# KiCad board 32.Channel.Amp.kicad_pcb
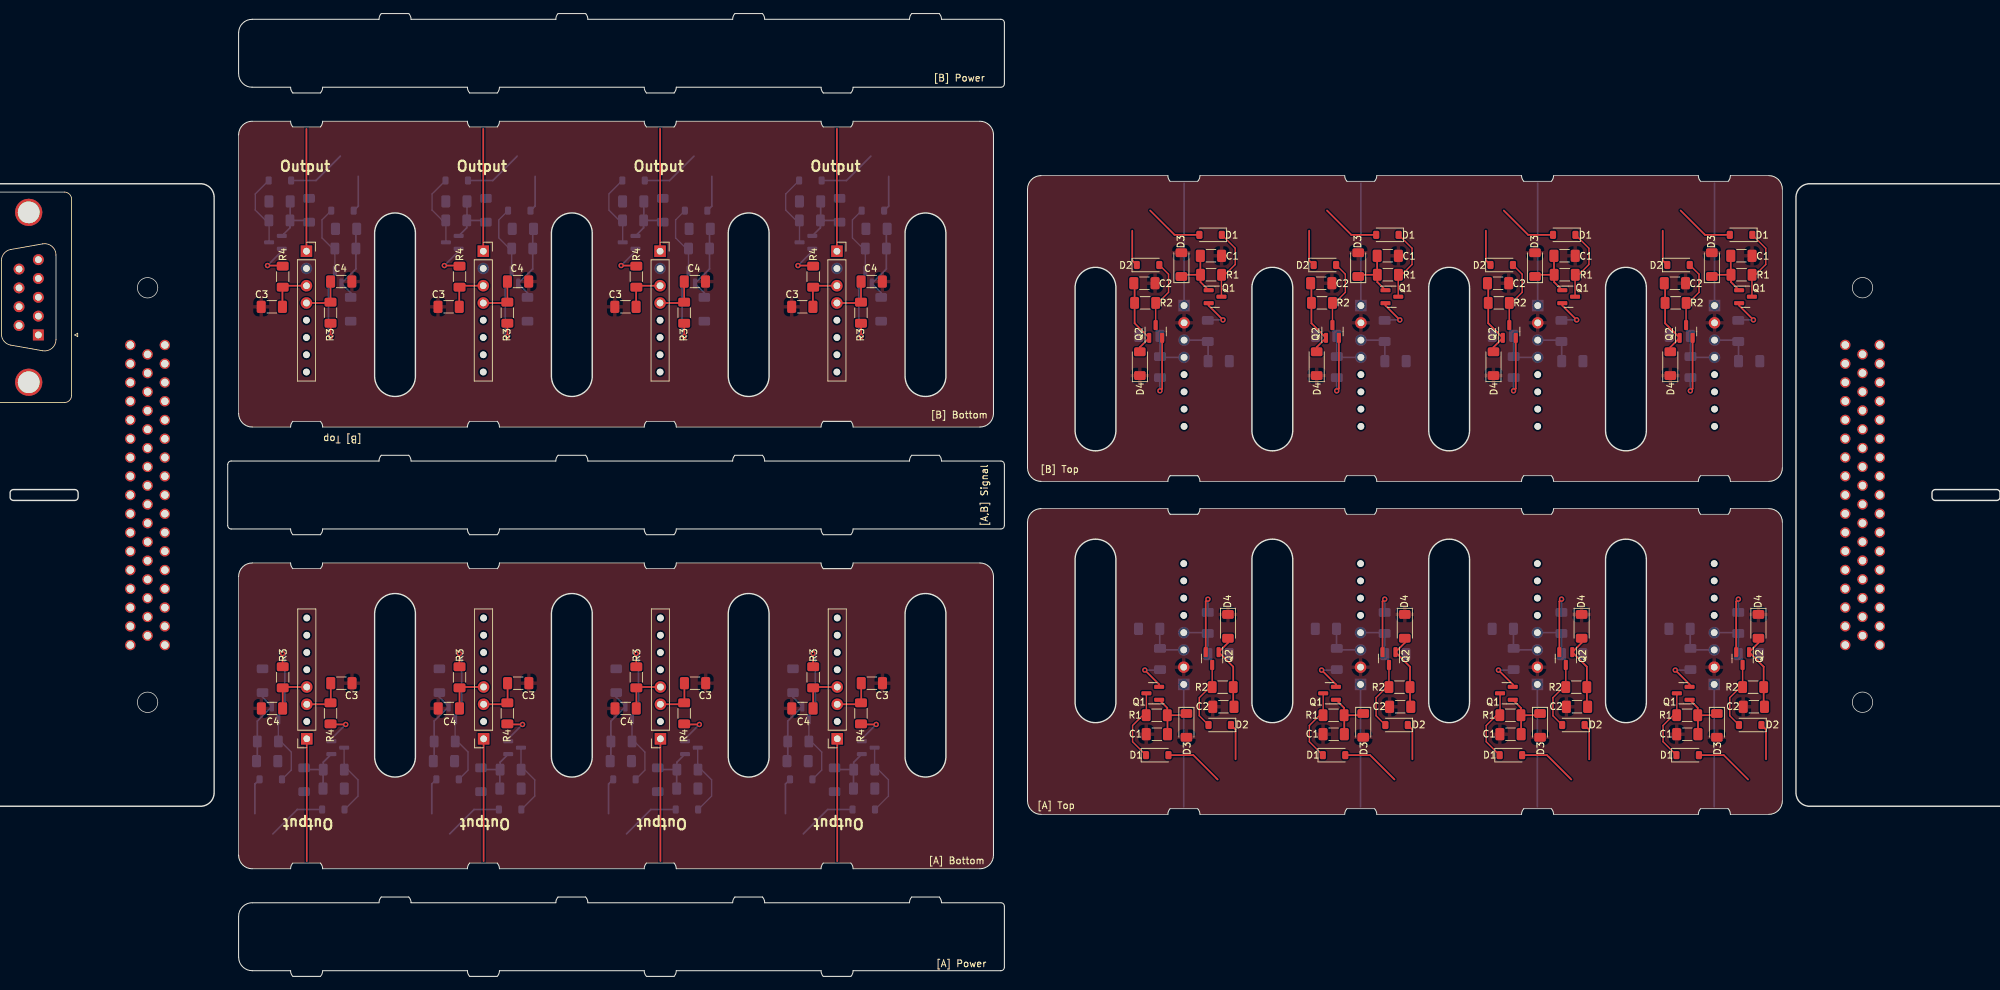
[diagram p0: board, top side]
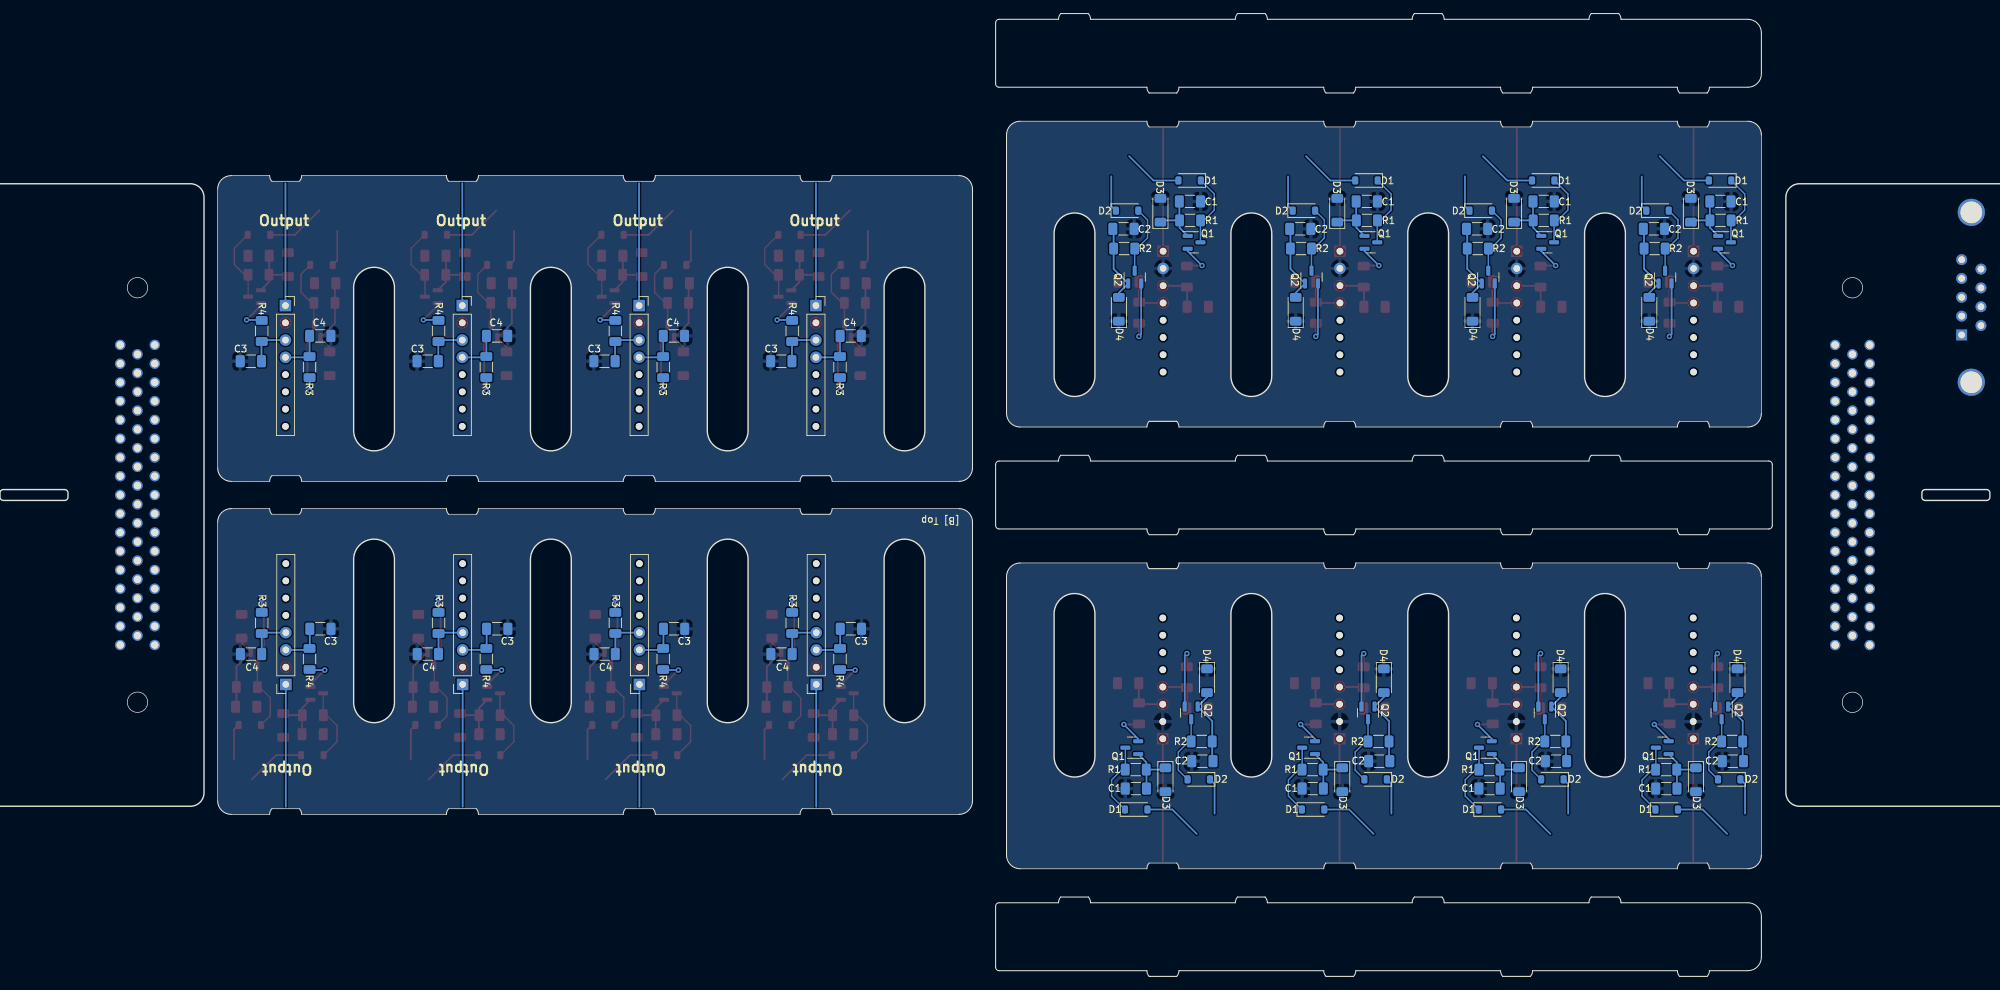
[diagram p1: board, bottom side, seen from below]

Outline 302.6 x 141.68 mm; copper layers: Top, In1.Cu, In2.Cu, Bottom. Coordinates in mm from the lower left corner of the outline.
Outline path: 14.5,71.64 14.85,71.49 15,71.14 15,70.54 14.85,70.19 14.5,70.04 5.5,70.04 5.15,70.19 5,70.54 5,71.14 5.15,71.49 5.5,71.64 closed ; 288.1,70.04 287.75,70.19 287.6,70.54 287.6,71.14 287.75,71.49 288.1,71.64 297.1,71.64 297.45,71.49 297.6,71.14 297.6,70.54 297.45,70.19 297.1,70.04 closed ; 2,116.64 0.59,116.05 0,114.64 0,27.04 0.59,25.63 2,25.04 33,25.04 34.41,25.63 35,27.04 35,114.64 34.41,116.05 33,116.64 closed ; 300.6,25.04 302.01,25.63 302.6,27.04 302.6,114.64 302.01,116.05 300.6,116.64 269.6,116.64 268.19,116.05 267.6,114.64 267.6,27.04 268.19,25.63 269.6,25.04 closed ; 64.6,88.34 61.6,85.34 58.6,88.34 58.6,109.34 61.6,112.34 64.6,109.34 closed ; 64.6,53.34 61.6,56.34 58.6,53.34 58.6,32.34 61.6,29.34 64.6,32.34 closed ; 84.6,88.34 87.6,85.34 90.6,88.34 90.6,109.34 87.6,112.34 84.6,109.34 closed ; 84.6,53.34 87.6,56.34 90.6,53.34 90.6,32.34 87.6,29.34 84.6,32.34 closed ; 110.6,88.34 113.6,85.34 116.6,88.34 116.6,109.34 113.6,112.34 110.6,109.34 closed ; 110.6,53.34 113.6,56.34 116.6,53.34 116.6,32.34 113.6,29.34 110.6,32.34 closed ; 142.6,88.34 139.6,85.34 136.6,88.34 136.6,109.34 139.6,112.34 142.6,109.34 closed ; 142.6,53.34 139.6,56.34 136.6,53.34 136.6,32.34 139.6,29.34 142.6,32.34 closed ; 161.6,80.34 164.6,77.34 167.6,80.34 167.6,101.34 164.6,104.34 161.6,101.34 closed ; 161.6,61.34 164.6,64.34 167.6,61.34 167.6,40.34 164.6,37.34 161.6,40.34 closed ; 193.6,80.34 190.6,77.34 187.6,80.34 187.6,101.34 190.6,104.34 193.6,101.34 closed ; 193.6,61.34 190.6,64.34 187.6,61.34 187.6,40.34 190.6,37.34 193.6,40.34 closed ; 219.6,80.34 216.6,77.34 213.6,80.34 213.6,101.34 216.6,104.34 219.6,101.34 closed ; 219.6,61.34 216.6,64.34 213.6,61.34 213.6,40.34 216.6,37.34 219.6,40.34 closed ; 239.6,80.34 242.6,77.34 245.6,80.34 245.6,101.34 242.6,104.34 239.6,101.34 closed ; 239.6,61.34 242.6,64.34 245.6,61.34 245.6,40.34 242.6,37.34 239.6,40.34 closed ; 37,75.34 37,66.34 arc(37.15,65.99) 37.5,65.84 46.24,65.84 arc(46.33,65.39) 46.57,65 50.63,65 arc(50.87,65.39) 50.96,65.84 72.24,65.84 arc(72.33,65.39) 72.57,65 76.63,65 arc(76.87,65.39) 76.96,65.84 98.24,65.84 arc(98.33,65.39) 98.57,65 102.63,65 arc(102.87,65.39) 102.96,65.84 124.24,65.84 arc(124.33,65.39) 124.57,65 128.63,65 arc(128.87,65.39) 128.96,65.84 150.7,65.84 arc(151.05,65.99) 151.2,66.34 151.2,75.34 arc(151.05,75.69) 150.7,75.84 141.96,75.84 arc(141.87,76.29) 141.63,76.68 137.57,76.68 arc(137.33,76.29) 137.24,75.84 115.96,75.84 arc(115.87,76.29) 115.63,76.68 111.57,76.68 arc(111.33,76.29) 111.24,75.84 89.96,75.84 arc(89.87,76.29) 89.63,76.68 85.57,76.68 arc(85.33,76.29) 85.24,75.84 63.96,75.84 arc(63.87,76.29) 63.63,76.68 59.57,76.68 arc(59.33,76.29) 59.24,75.84 37.5,75.84 arc(37.15,75.69) 37,75.34 ; 38.6,138.84 38.6,132.84 arc(39.19,131.43) 40.6,130.84 46.24,130.84 arc(46.33,130.39) 46.57,130 50.63,130 arc(50.87,130.39) 50.96,130.84 72.24,130.84 arc(72.33,130.39) 72.57,130 76.63,130 arc(76.87,130.39) 76.96,130.84 98.24,130.84 arc(98.33,130.39) 98.57,130 102.63,130 arc(102.87,130.39) 102.96,130.84 124.24,130.84 arc(124.33,130.39) 124.57,130 128.63,130 arc(128.87,130.39) 128.96,130.84 150.7,130.84 arc(151.05,130.99) 151.2,131.34 151.2,140.34 arc(151.05,140.69) 150.7,140.84 141.96,140.84 arc(141.87,141.29) 141.63,141.68 137.57,141.68 arc(137.33,141.29) 137.24,140.84 115.96,140.84 arc(115.87,141.29) 115.63,141.68 111.57,141.68 arc(111.33,141.29) 111.24,140.84 89.96,140.84 arc(89.87,141.29) 89.63,141.68 85.57,141.68 arc(85.33,141.29) 85.24,140.84 63.96,140.84 arc(63.87,141.29) 63.63,141.68 59.57,141.68 arc(59.33,141.29) 59.24,140.84 40.6,140.84 arc(39.19,140.25) 38.6,138.84 ; 38.6,123.84 38.6,82.84 arc(39.19,81.43) 40.6,80.84 46.24,80.84 arc(46.33,81.29) 46.57,81.68 50.63,81.68 arc(50.87,81.29) 50.96,80.84 72.24,80.84 arc(72.33,81.29) 72.57,81.68 76.63,81.68 arc(76.87,81.29) 76.96,80.84 98.24,80.84 arc(98.33,81.29) 98.57,81.68 102.63,81.68 arc(102.87,81.29) 102.96,80.84 124.24,80.84 arc(124.33,81.29) 124.57,81.68 128.63,81.68 arc(128.87,81.29) 128.96,80.84 147.6,80.84 arc(149.01,81.43) 149.6,82.84 149.6,123.84 arc(149.01,125.25) 147.6,125.84 128.96,125.84 arc(128.87,125.39) 128.63,125 124.57,125 arc(124.33,125.39) 124.24,125.84 102.96,125.84 arc(102.87,125.39) 102.63,125 98.57,125 arc(98.33,125.39) 98.24,125.84 76.96,125.84 arc(76.87,125.39) 76.63,125 72.57,125 arc(72.33,125.39) 72.24,125.84 50.96,125.84 arc(50.87,125.39) 50.63,125 46.57,125 arc(46.33,125.39) 46.24,125.84 40.6,125.84 arc(39.19,125.25) 38.6,123.84 ; 38.6,58.84 38.6,17.84 arc(39.19,16.43) 40.6,15.84 46.24,15.84 arc(46.33,16.29) 46.57,16.68 50.63,16.68 arc(50.87,16.29) 50.96,15.84 72.24,15.84 arc(72.33,16.29) 72.57,16.68 76.63,16.68 arc(76.87,16.29) 76.96,15.84 98.24,15.84 arc(98.33,16.29) 98.57,16.68 102.63,16.68 arc(102.87,16.29) 102.96,15.84 124.24,15.84 arc(124.33,16.29) 124.57,16.68 128.63,16.68 arc(128.87,16.29) 128.96,15.84 147.6,15.84 arc(149.01,16.43) 149.6,17.84 149.6,58.84 arc(149.01,60.25) 147.6,60.84 128.96,60.84 arc(128.87,60.39) 128.63,60 124.57,60 arc(124.33,60.39) 124.24,60.84 102.96,60.84 arc(102.87,60.39) 102.63,60 98.57,60 arc(98.33,60.39) 98.24,60.84 76.96,60.84 arc(76.87,60.39) 76.63,60 72.57,60 arc(72.33,60.39) 72.24,60.84 50.96,60.84 arc(50.87,60.39) 50.63,60 46.57,60 arc(46.33,60.39) 46.24,60.84 40.6,60.84 arc(39.19,60.25) 38.6,58.84 ; 38.6,8.84 38.6,2.84 arc(39.19,1.43) 40.6,0.84 46.24,0.84 arc(46.33,0.39) 46.57,0 50.63,0 arc(50.87,0.39) 50.96,0.84 72.24,0.84 arc(72.33,0.39) 72.57,0 76.63,0 arc(76.87,0.39) 76.96,0.84 98.24,0.84 arc(98.33,0.39) 98.57,0 102.63,0 arc(102.87,0.39) 102.96,0.84 124.24,0.84 arc(124.33,0.39) 124.57,0 128.63,0 arc(128.87,0.39) 128.96,0.84 150.7,0.84 arc(151.05,0.99) 151.2,1.34 151.2,10.34 arc(151.05,10.69) 150.7,10.84 141.96,10.84 arc(141.87,11.29) 141.63,11.68 137.57,11.68 arc(137.33,11.29) 137.24,10.84 115.96,10.84 arc(115.87,11.29) 115.63,11.68 111.57,11.68 arc(111.33,11.29) 111.24,10.84 89.96,10.84 arc(89.87,11.29) 89.63,11.68 85.57,11.68 arc(85.33,11.29) 85.24,10.84 63.96,10.84 arc(63.87,11.29) 63.63,11.68 59.57,11.68 arc(59.33,11.29) 59.24,10.84 40.6,10.84 arc(39.19,10.25) 38.6,8.84 ; 154.6,115.84 154.6,74.84 arc(155.19,73.43) 156.6,72.84 175.24,72.84 arc(175.33,73.29) 175.57,73.68 179.63,73.68 arc(179.87,73.29) 179.96,72.84 201.24,72.84 arc(201.33,73.29) 201.57,73.68 205.63,73.68 arc(205.87,73.29) 205.96,72.84 227.24,72.84 arc(227.33,73.29) 227.57,73.68 231.63,73.68 arc(231.87,73.29) 231.96,72.84 253.24,72.84 arc(253.33,73.29) 253.57,73.68 257.63,73.68 arc(257.87,73.29) 257.96,72.84 263.6,72.84 arc(265.01,73.43) 265.6,74.84 265.6,115.84 arc(265.01,117.25) 263.6,117.84 257.96,117.84 arc(257.87,117.39) 257.63,117 253.57,117 arc(253.33,117.39) 253.24,117.84 231.96,117.84 arc(231.87,117.39) 231.63,117 227.57,117 arc(227.33,117.39) 227.24,117.84 205.96,117.84 arc(205.87,117.39) 205.63,117 201.57,117 arc(201.33,117.39) 201.24,117.84 179.96,117.84 arc(179.87,117.39) 179.63,117 175.57,117 arc(175.33,117.39) 175.24,117.84 156.6,117.84 arc(155.19,117.25) 154.6,115.84 ; 154.6,66.84 154.6,25.84 arc(155.19,24.43) 156.6,23.84 175.24,23.84 arc(175.33,24.29) 175.57,24.68 179.63,24.68 arc(179.87,24.29) 179.96,23.84 201.24,23.84 arc(201.33,24.29) 201.57,24.68 205.63,24.68 arc(205.87,24.29) 205.96,23.84 227.24,23.84 arc(227.33,24.29) 227.57,24.68 231.63,24.68 arc(231.87,24.29) 231.96,23.84 253.24,23.84 arc(253.33,24.29) 253.57,24.68 257.63,24.68 arc(257.87,24.29) 257.96,23.84 263.6,23.84 arc(265.01,24.43) 265.6,25.84 265.6,66.84 arc(265.01,68.25) 263.6,68.84 257.96,68.84 arc(257.87,68.39) 257.63,68 253.57,68 arc(253.33,68.39) 253.24,68.84 231.96,68.84 arc(231.87,68.39) 231.63,68 227.57,68 arc(227.33,68.39) 227.24,68.84 205.96,68.84 arc(205.87,68.39) 205.63,68 201.57,68 arc(201.33,68.39) 201.24,68.84 179.96,68.84 arc(179.87,68.39) 179.63,68 175.57,68 arc(175.33,68.39) 175.24,68.84 156.6,68.84 arc(155.19,68.25) 154.6,66.84
Stack: Top 0.035mm / dielectric 0.1mm FR4 er 4.5 / In1.Cu 0.035mm / dielectric 1.24mm FR4 er 4.5 / In2.Cu 0.035mm / dielectric 0.1mm FR4 er 4.5 / Bottom 0.035mm

## Placement (name value [footprint] x y rotation side)
C1  10uF  [C_1206_3216Metric_Pad1.33x1.80mm_HandSolder]  251.62 35.64 180 top
C1#2  10uF  [C_1206_3216Metric_Pad1.33x1.80mm_HandSolder]  259.58 106.04 0 top
C1#3  10uF  [C_1206_3216Metric_Pad1.33x1.80mm_HandSolder]  199.62 35.64 180 top
C1#4  10uF  [C_1206_3216Metric_Pad1.33x1.80mm_HandSolder]  225.62 35.64 180 top
C1#5  10uF  [C_1206_3216Metric_Pad1.33x1.80mm_HandSolder]  233.58 106.04 0 top
C1#6  10uF  [C_1206_3216Metric_Pad1.33x1.80mm_HandSolder]  173.62 35.64 180 top
C1#7  10uF  [C_1206_3216Metric_Pad1.33x1.80mm_HandSolder]  181.58 106.04 0 top
C1#8  10uF  [C_1206_3216Metric_Pad1.33x1.80mm_HandSolder]  207.58 106.04 0 top
C1#9  10uF  [C_1206_3216Metric_Pad1.33x1.80mm_HandSolder]  52.58 27.64 0 bottom
C1#10  10uF  [C_1206_3216Metric_Pad1.33x1.80mm_HandSolder]  122.62 114.04 180 bottom
C1#11  10uF  [C_1206_3216Metric_Pad1.33x1.80mm_HandSolder]  70.62 114.04 180 bottom
C1#12  10uF  [C_1206_3216Metric_Pad1.33x1.80mm_HandSolder]  104.58 27.64 0 bottom
C1#13  10uF  [C_1206_3216Metric_Pad1.33x1.80mm_HandSolder]  44.62 114.04 180 bottom
C1#14  10uF  [C_1206_3216Metric_Pad1.33x1.80mm_HandSolder]  78.58 27.64 0 bottom
C1#15  10uF  [C_1206_3216Metric_Pad1.33x1.80mm_HandSolder]  96.62 114.04 180 bottom
C1#16  10uF  [C_1206_3216Metric_Pad1.33x1.80mm_HandSolder]  130.58 27.64 0 bottom
C2  10uF  [C_1206_3216Metric_Pad1.33x1.80mm_HandSolder]  209.4 39.67 180 top
C2#2  10uF  [C_1206_3216Metric_Pad1.33x1.80mm_HandSolder]  183.4 39.67 180 top
C2#3  10uF  [C_1206_3216Metric_Pad1.33x1.80mm_HandSolder]  261.4 39.67 180 top
C2#4  10uF  [C_1206_3216Metric_Pad1.33x1.80mm_HandSolder]  197.8 102 0 top
C2#5  10uF  [C_1206_3216Metric_Pad1.33x1.80mm_HandSolder]  235.4 39.67 180 top
C2#6  10uF  [C_1206_3216Metric_Pad1.33x1.80mm_HandSolder]  249.8 102 0 top
C2#7  10uF  [C_1206_3216Metric_Pad1.33x1.80mm_HandSolder]  171.8 102 0 top
C2#8  10uF  [C_1206_3216Metric_Pad1.33x1.80mm_HandSolder]  223.8 102 0 top
C2#9  10uF  [C_1206_3216Metric_Pad1.33x1.80mm_HandSolder]  132.4 110 180 bottom
C2#10  10uF  [C_1206_3216Metric_Pad1.33x1.80mm_HandSolder]  94.8 31.67 0 bottom
C2#11  10uF  [C_1206_3216Metric_Pad1.33x1.80mm_HandSolder]  106.4 110 180 bottom
C2#12  10uF  [C_1206_3216Metric_Pad1.33x1.80mm_HandSolder]  54.4 110 180 bottom
C2#13  10uF  [C_1206_3216Metric_Pad1.33x1.80mm_HandSolder]  68.8 31.67 0 bottom
C2#14  10uF  [C_1206_3216Metric_Pad1.33x1.80mm_HandSolder]  80.4 110 180 bottom
C2#15  10uF  [C_1206_3216Metric_Pad1.33x1.80mm_HandSolder]  120.8 31.67 0 bottom
C2#16  10uF  [C_1206_3216Metric_Pad1.33x1.80mm_HandSolder]  42.8 31.67 0 bottom
C3  10uF  [C_1206_3216Metric_Pad1.33x1.80mm_HandSolder]  131.71 43.15 0 top
C3#2  10uF  [C_1206_3216Metric_Pad1.33x1.80mm_HandSolder]  105.71 43.15 0 top
C3#3  10uF  [C_1206_3216Metric_Pad1.33x1.80mm_HandSolder]  79.71 43.15 0 top
C3#4  10uF  [C_1206_3216Metric_Pad1.33x1.80mm_HandSolder]  95.48 98.53 180 top
C3#5  10uF  [C_1206_3216Metric_Pad1.33x1.80mm_HandSolder]  53.71 43.15 0 top
C3#6  10uF  [C_1206_3216Metric_Pad1.33x1.80mm_HandSolder]  121.48 98.53 180 top
C3#7  10uF  [C_1206_3216Metric_Pad1.33x1.80mm_HandSolder]  43.48 98.53 180 top
C3#8  10uF  [C_1206_3216Metric_Pad1.33x1.80mm_HandSolder]  69.48 98.53 180 top
C3#9  10uF  [C_1206_3216Metric_Pad1.33x1.80mm_HandSolder]  224.48 51.15 180 bottom
C3#10  10uF  [C_1206_3216Metric_Pad1.33x1.80mm_HandSolder]  198.48 51.15 180 bottom
C3#11  10uF  [C_1206_3216Metric_Pad1.33x1.80mm_HandSolder]  208.71 90.53 0 bottom
C3#12  10uF  [C_1206_3216Metric_Pad1.33x1.80mm_HandSolder]  182.71 90.53 0 bottom
C3#13  10uF  [C_1206_3216Metric_Pad1.33x1.80mm_HandSolder]  172.48 51.15 180 bottom
C3#14  10uF  [C_1206_3216Metric_Pad1.33x1.80mm_HandSolder]  250.48 51.15 180 bottom
C3#15  10uF  [C_1206_3216Metric_Pad1.33x1.80mm_HandSolder]  234.71 90.53 0 bottom
C3#16  10uF  [C_1206_3216Metric_Pad1.33x1.80mm_HandSolder]  260.71 90.53 0 bottom
C4  10uF  [C_1206_3216Metric_Pad1.33x1.80mm_HandSolder]  43.51 39.43 180 top
C4#2  10uF  [C_1206_3216Metric_Pad1.33x1.80mm_HandSolder]  53.69 102.25 0 top
C4#3  10uF  [C_1206_3216Metric_Pad1.33x1.80mm_HandSolder]  105.69 102.25 0 top
C4#4  10uF  [C_1206_3216Metric_Pad1.33x1.80mm_HandSolder]  121.51 39.43 180 top
C4#5  10uF  [C_1206_3216Metric_Pad1.33x1.80mm_HandSolder]  131.69 102.25 0 top
C4#6  10uF  [C_1206_3216Metric_Pad1.33x1.80mm_HandSolder]  79.69 102.25 0 top
C4#7  10uF  [C_1206_3216Metric_Pad1.33x1.80mm_HandSolder]  69.51 39.43 180 top
C4#8  10uF  [C_1206_3216Metric_Pad1.33x1.80mm_HandSolder]  95.51 39.43 180 top
C4#9  10uF  [C_1206_3216Metric_Pad1.33x1.80mm_HandSolder]  198.51 94.25 180 bottom
C4#10  10uF  [C_1206_3216Metric_Pad1.33x1.80mm_HandSolder]  260.69 47.43 0 bottom
C4#11  10uF  [C_1206_3216Metric_Pad1.33x1.80mm_HandSolder]  182.69 47.43 0 bottom
C4#12  10uF  [C_1206_3216Metric_Pad1.33x1.80mm_HandSolder]  234.69 47.43 0 bottom
C4#13  10uF  [C_1206_3216Metric_Pad1.33x1.80mm_HandSolder]  224.51 94.25 180 bottom
C4#14  10uF  [C_1206_3216Metric_Pad1.33x1.80mm_HandSolder]  208.69 47.43 0 bottom
C4#15  10uF  [C_1206_3216Metric_Pad1.33x1.80mm_HandSolder]  172.51 94.25 180 bottom
C4#16  10uF  [C_1206_3216Metric_Pad1.33x1.80mm_HandSolder]  250.51 94.25 180 bottom
D1  1N4148W  [D_SOD-123]  207.52 109.12 180 top
D1#2  1N4148W  [D_SOD-123]  259.52 109.12 180 top
D1#3  1N4148W  [D_SOD-123]  251.67 32.56 0 top
D1#4  1N4148W  [D_SOD-123]  173.67 32.56 0 top
D1#5  1N4148W  [D_SOD-123]  225.67 32.56 0 top
D1#6  1N4148W  [D_SOD-123]  233.52 109.12 180 top
D1#7  1N4148W  [D_SOD-123]  181.52 109.12 180 top
D1#8  1N4148W  [D_SOD-123]  199.67 32.56 0 top
D1#9  1N4148W  [D_SOD-123]  52.52 24.56 180 bottom
D1#10  1N4148W  [D_SOD-123]  70.67 117.12 0 bottom
D1#11  1N4148W  [D_SOD-123]  96.67 117.12 0 bottom
D1#12  1N4148W  [D_SOD-123]  44.67 117.12 0 bottom
D1#13  1N4148W  [D_SOD-123]  130.52 24.56 180 bottom
D1#14  1N4148W  [D_SOD-123]  104.52 24.56 180 bottom
D1#15  1N4148W  [D_SOD-123]  78.52 24.56 180 bottom
D1#16  1N4148W  [D_SOD-123]  122.67 117.12 0 bottom
D2  1N4148W  [D_SOD-123]  198.33 104.68 0 top
D2#2  1N4148W  [D_SOD-123]  208.87 36.99 180 top
D2#3  1N4148W  [D_SOD-123]  182.87 36.99 180 top
D2#4  1N4148W  [D_SOD-123]  250.33 104.68 0 top
D2#5  1N4148W  [D_SOD-123]  260.87 36.99 180 top
D2#6  1N4148W  [D_SOD-123]  172.33 104.68 0 top
D2#7  1N4148W  [D_SOD-123]  224.33 104.68 0 top
D2#8  1N4148W  [D_SOD-123]  234.87 36.99 180 top
D2#9  1N4148W  [D_SOD-123]  131.87 112.68 180 bottom
D2#10  1N4148W  [D_SOD-123]  105.87 112.68 180 bottom
D2#11  1N4148W  [D_SOD-123]  53.87 112.68 180 bottom
D2#12  1N4148W  [D_SOD-123]  79.87 112.68 180 bottom
D2#13  1N4148W  [D_SOD-123]  95.33 28.99 0 bottom
D2#14  1N4148W  [D_SOD-123]  121.33 28.99 0 bottom
D2#15  1N4148W  [D_SOD-123]  69.33 28.99 0 bottom
D2#16  1N4148W  [D_SOD-123]  43.33 28.99 0 bottom
D3  BZV55B7V5  [D_MiniMELF]  177.23 104.74 90 top
D3#2  BZV55B7V5  [D_MiniMELF]  203.97 36.94 270 top
D3#3  BZV55B7V5  [D_MiniMELF]  255.23 104.74 90 top
D3#4  BZV55B7V5  [D_MiniMELF]  177.97 36.94 270 top
D3#5  BZV55B7V5  [D_MiniMELF]  203.23 104.74 90 top
D3#6  BZV55B7V5  [D_MiniMELF]  229.97 36.94 270 top
D3#7  BZV55B7V5  [D_MiniMELF]  229.23 104.74 90 top
D3#8  BZV55B7V5  [D_MiniMELF]  255.97 36.94 270 top
D3#9  BZV55B7V5  [D_MiniMELF]  74.23 28.94 270 bottom
D3#10  BZV55B7V5  [D_MiniMELF]  74.97 112.74 90 bottom
D3#11  BZV55B7V5  [D_MiniMELF]  48.97 112.74 90 bottom
D3#12  BZV55B7V5  [D_MiniMELF]  126.23 28.94 270 bottom
D3#13  BZV55B7V5  [D_MiniMELF]  48.23 28.94 270 bottom
D3#14  BZV55B7V5  [D_MiniMELF]  100.97 112.74 90 bottom
D3#15  BZV55B7V5  [D_MiniMELF]  100.23 28.94 270 bottom
D3#16  BZV55B7V5  [D_MiniMELF]  126.97 112.74 90 bottom
D4  BZV55B7V5  [D_MiniMELF]  262.08 51.51 270 top
D4#2  BZV55B7V5  [D_MiniMELF]  249.12 90.16 90 top
D4#3  BZV55B7V5  [D_MiniMELF]  184.08 51.51 270 top
D4#4  BZV55B7V5  [D_MiniMELF]  236.08 51.51 270 top
D4#5  BZV55B7V5  [D_MiniMELF]  171.12 90.16 90 top
D4#6  BZV55B7V5  [D_MiniMELF]  223.12 90.16 90 top
D4#7  BZV55B7V5  [D_MiniMELF]  197.12 90.16 90 top
D4#8  BZV55B7V5  [D_MiniMELF]  210.08 51.51 270 top
D4#9  BZV55B7V5  [D_MiniMELF]  42.12 43.51 270 bottom
D4#10  BZV55B7V5  [D_MiniMELF]  120.12 43.51 270 bottom
D4#11  BZV55B7V5  [D_MiniMELF]  68.12 43.51 270 bottom
D4#12  BZV55B7V5  [D_MiniMELF]  94.12 43.51 270 bottom
D4#13  BZV55B7V5  [D_MiniMELF]  55.08 98.16 90 bottom
D4#14  BZV55B7V5  [D_MiniMELF]  107.08 98.16 90 bottom
D4#15  BZV55B7V5  [D_MiniMELF]  81.08 98.16 90 bottom
D4#16  BZV55B7V5  [D_MiniMELF]  133.08 98.16 90 bottom
J2  Conn_Coaxial_Out  [PinSocket_1x08_P2.54mm_Vertical]  100.62 34.96 180 top
J2#2  Conn_Coaxial_Out  [PinSocket_1x08_P2.54mm_Vertical]  74.62 34.96 180 top
J2#3  Conn_Coaxial_Out  [PinSocket_1x08_P2.54mm_Vertical]  74.57 106.71 0 top
J2#4  Conn_Coaxial_Out  [PinSocket_1x08_P2.54mm_Vertical]  126.62 34.96 180 top
J2#5  Conn_Coaxial_Out  [PinSocket_1x08_P2.54mm_Vertical]  48.57 106.71 0 top
J2#6  Conn_Coaxial_Out  [PinSocket_1x08_P2.54mm_Vertical]  48.62 34.96 180 top
J2#7  Conn_Coaxial_Out  [PinSocket_1x08_P2.54mm_Vertical]  100.57 106.71 0 top
J2#8  Conn_Coaxial_Out  [PinSocket_1x08_P2.54mm_Vertical]  126.57 106.71 0 top
J2#9  Conn_Coaxial_Out  [PinSocket_1x08_P2.54mm_Vertical]  255.62 98.71 180 bottom
J2#10  Conn_Coaxial_Out  [PinSocket_1x08_P2.54mm_Vertical]  177.57 42.96 0 bottom
J2#11  Conn_Coaxial_Out  [PinSocket_1x08_P2.54mm_Vertical]  229.62 98.71 180 bottom
J2#12  Conn_Coaxial_Out  [PinSocket_1x08_P2.54mm_Vertical]  203.57 42.96 0 bottom
J2#13  Conn_Coaxial_Out  [PinSocket_1x08_P2.54mm_Vertical]  229.57 42.96 0 bottom
J2#14  Conn_Coaxial_Out  [PinSocket_1x08_P2.54mm_Vertical]  255.57 42.96 0 bottom
J2#15  Conn_Coaxial_Out  [PinSocket_1x08_P2.54mm_Vertical]  203.62 98.71 180 bottom
J2#16  Conn_Coaxial_Out  [PinSocket_1x08_P2.54mm_Vertical]  177.62 98.71 180 bottom
Q1  MMBT3904  [SOT-23]  251.02 41.66 180 top
Q1#2  MMBT3904  [SOT-23]  260.18 100.02 0 top
Q1#3  MMBT3904  [SOT-23]  182.18 100.02 0 top
Q1#4  MMBT3904  [SOT-23]  173.02 41.66 180 top
Q1#5  MMBT3904  [SOT-23]  225.02 41.66 180 top
Q1#6  MMBT3904  [SOT-23]  234.18 100.02 0 top
Q1#7  MMBT3904  [SOT-23]  199.02 41.66 180 top
Q1#8  MMBT3904  [SOT-23]  208.18 100.02 0 top
Q1#9  MMBT3904  [SOT-23]  53.18 33.66 0 bottom
Q1#10  MMBT3904  [SOT-23]  131.18 33.66 0 bottom
Q1#11  MMBT3904  [SOT-23]  96.02 108.02 180 bottom
Q1#12  MMBT3904  [SOT-23]  44.02 108.02 180 bottom
Q1#13  MMBT3904  [SOT-23]  70.02 108.02 180 bottom
Q1#14  MMBT3904  [SOT-23]  79.18 33.66 0 bottom
Q1#15  MMBT3904  [SOT-23]  122.02 108.02 180 bottom
Q1#16  MMBT3904  [SOT-23]  105.18 33.66 0 bottom
Q2  MMBT3906  [SOT-23]  207.75 46.78 270 top
Q2#2  MMBT3906  [SOT-23]  259.75 46.78 270 top
Q2#3  MMBT3906  [SOT-23]  199.44 94.9 90 top
Q2#4  MMBT3906  [SOT-23]  181.75 46.78 270 top
Q2#5  MMBT3906  [SOT-23]  251.44 94.9 90 top
Q2#6  MMBT3906  [SOT-23]  225.44 94.9 90 top
Q2#7  MMBT3906  [SOT-23]  233.75 46.78 270 top
Q2#8  MMBT3906  [SOT-23]  173.44 94.9 90 top
Q2#9  MMBT3906  [SOT-23]  122.44 38.78 270 bottom
Q2#10  MMBT3906  [SOT-23]  96.44 38.78 270 bottom
Q2#11  MMBT3906  [SOT-23]  130.75 102.9 90 bottom
Q2#12  MMBT3906  [SOT-23]  44.44 38.78 270 bottom
Q2#13  MMBT3906  [SOT-23]  78.75 102.9 90 bottom
Q2#14  MMBT3906  [SOT-23]  70.44 38.78 270 bottom
Q2#15  MMBT3906  [SOT-23]  104.75 102.9 90 bottom
Q2#16  MMBT3906  [SOT-23]  52.75 102.9 90 bottom
R1  1.0k  [R_1206_3216Metric_Pad1.30x1.75mm_HandSolder]  181.59 103.24 180 top
R1#2  1.0k  [R_1206_3216Metric_Pad1.30x1.75mm_HandSolder]  207.59 103.24 180 top
R1#3  1.0k  [R_1206_3216Metric_Pad1.30x1.75mm_HandSolder]  225.6 38.43 0 top
R1#4  1.0k  [R_1206_3216Metric_Pad1.30x1.75mm_HandSolder]  259.59 103.24 180 top
R1#5  1.0k  [R_1206_3216Metric_Pad1.30x1.75mm_HandSolder]  251.6 38.43 0 top
R1#6  1.0k  [R_1206_3216Metric_Pad1.30x1.75mm_HandSolder]  233.59 103.24 180 top
R1#7  1.0k  [R_1206_3216Metric_Pad1.30x1.75mm_HandSolder]  199.6 38.43 0 top
R1#8  1.0k  [R_1206_3216Metric_Pad1.30x1.75mm_HandSolder]  173.6 38.43 0 top
R1#9  1.0k  [R_1206_3216Metric_Pad1.30x1.75mm_HandSolder]  96.6 111.24 0 bottom
R1#10  1.0k  [R_1206_3216Metric_Pad1.30x1.75mm_HandSolder]  44.6 111.24 0 bottom
R1#11  1.0k  [R_1206_3216Metric_Pad1.30x1.75mm_HandSolder]  70.6 111.24 0 bottom
R1#12  1.0k  [R_1206_3216Metric_Pad1.30x1.75mm_HandSolder]  130.59 30.43 180 bottom
R1#13  1.0k  [R_1206_3216Metric_Pad1.30x1.75mm_HandSolder]  104.59 30.43 180 bottom
R1#14  1.0k  [R_1206_3216Metric_Pad1.30x1.75mm_HandSolder]  78.59 30.43 180 bottom
R1#15  1.0k  [R_1206_3216Metric_Pad1.30x1.75mm_HandSolder]  122.6 111.24 0 bottom
R1#16  1.0k  [R_1206_3216Metric_Pad1.30x1.75mm_HandSolder]  52.59 30.43 180 bottom
R2  1.0k  [R_1206_3216Metric_Pad1.30x1.75mm_HandSolder]  183.3 42.57 0 top
R2#2  1.0k  [R_1206_3216Metric_Pad1.30x1.75mm_HandSolder]  235.3 42.57 0 top
R2#3  1.0k  [R_1206_3216Metric_Pad1.30x1.75mm_HandSolder]  209.3 42.57 0 top
R2#4  1.0k  [R_1206_3216Metric_Pad1.30x1.75mm_HandSolder]  261.3 42.57 0 top
R2#5  1.0k  [R_1206_3216Metric_Pad1.30x1.75mm_HandSolder]  171.9 99.11 180 top
R2#6  1.0k  [R_1206_3216Metric_Pad1.30x1.75mm_HandSolder]  249.9 99.11 180 top
R2#7  1.0k  [R_1206_3216Metric_Pad1.30x1.75mm_HandSolder]  223.9 99.11 180 top
R2#8  1.0k  [R_1206_3216Metric_Pad1.30x1.75mm_HandSolder]  197.9 99.11 180 top
R2#9  1.0k  [R_1206_3216Metric_Pad1.30x1.75mm_HandSolder]  94.9 34.57 180 bottom
R2#10  1.0k  [R_1206_3216Metric_Pad1.30x1.75mm_HandSolder]  42.9 34.57 180 bottom
R2#11  1.0k  [R_1206_3216Metric_Pad1.30x1.75mm_HandSolder]  54.3 107.11 0 bottom
R2#12  1.0k  [R_1206_3216Metric_Pad1.30x1.75mm_HandSolder]  120.9 34.57 180 bottom
R2#13  1.0k  [R_1206_3216Metric_Pad1.30x1.75mm_HandSolder]  132.3 107.11 0 bottom
R2#14  1.0k  [R_1206_3216Metric_Pad1.30x1.75mm_HandSolder]  80.3 107.11 0 bottom
R2#15  1.0k  [R_1206_3216Metric_Pad1.30x1.75mm_HandSolder]  106.3 107.11 0 bottom
R2#16  1.0k  [R_1206_3216Metric_Pad1.30x1.75mm_HandSolder]  68.9 34.57 180 bottom
R3  4.7  [R_1206_3216Metric_Pad1.30x1.75mm_HandSolder]  71.08 44.01 270 top
R3#2  4.7  [R_1206_3216Metric_Pad1.30x1.75mm_HandSolder]  78.11 97.66 90 top
R3#3  4.7  [R_1206_3216Metric_Pad1.30x1.75mm_HandSolder]  45.08 44.01 270 top
R3#4  4.7  [R_1206_3216Metric_Pad1.30x1.75mm_HandSolder]  52.11 97.66 90 top
R3#5  4.7  [R_1206_3216Metric_Pad1.30x1.75mm_HandSolder]  123.08 44.01 270 top
R3#6  4.7  [R_1206_3216Metric_Pad1.30x1.75mm_HandSolder]  130.11 97.66 90 top
R3#7  4.7  [R_1206_3216Metric_Pad1.30x1.75mm_HandSolder]  104.11 97.66 90 top
R3#8  4.7  [R_1206_3216Metric_Pad1.30x1.75mm_HandSolder]  97.08 44.01 270 top
R3#9  4.7  [R_1206_3216Metric_Pad1.30x1.75mm_HandSolder]  226.08 89.66 90 bottom
R3#10  4.7  [R_1206_3216Metric_Pad1.30x1.75mm_HandSolder]  181.11 52.01 270 bottom
R3#11  4.7  [R_1206_3216Metric_Pad1.30x1.75mm_HandSolder]  259.11 52.01 270 bottom